# Altium PCB PCB.PcbDoc
Units mm, origin at the board's own origin, x right, y up, seen from the top; angles counter-clockwise.
Board outline 99.95 x 72.69 mm, 2 copper layers (Top Layer, Bottom Layer); 57 components, 67 nets, 259 pads, 136 vias.
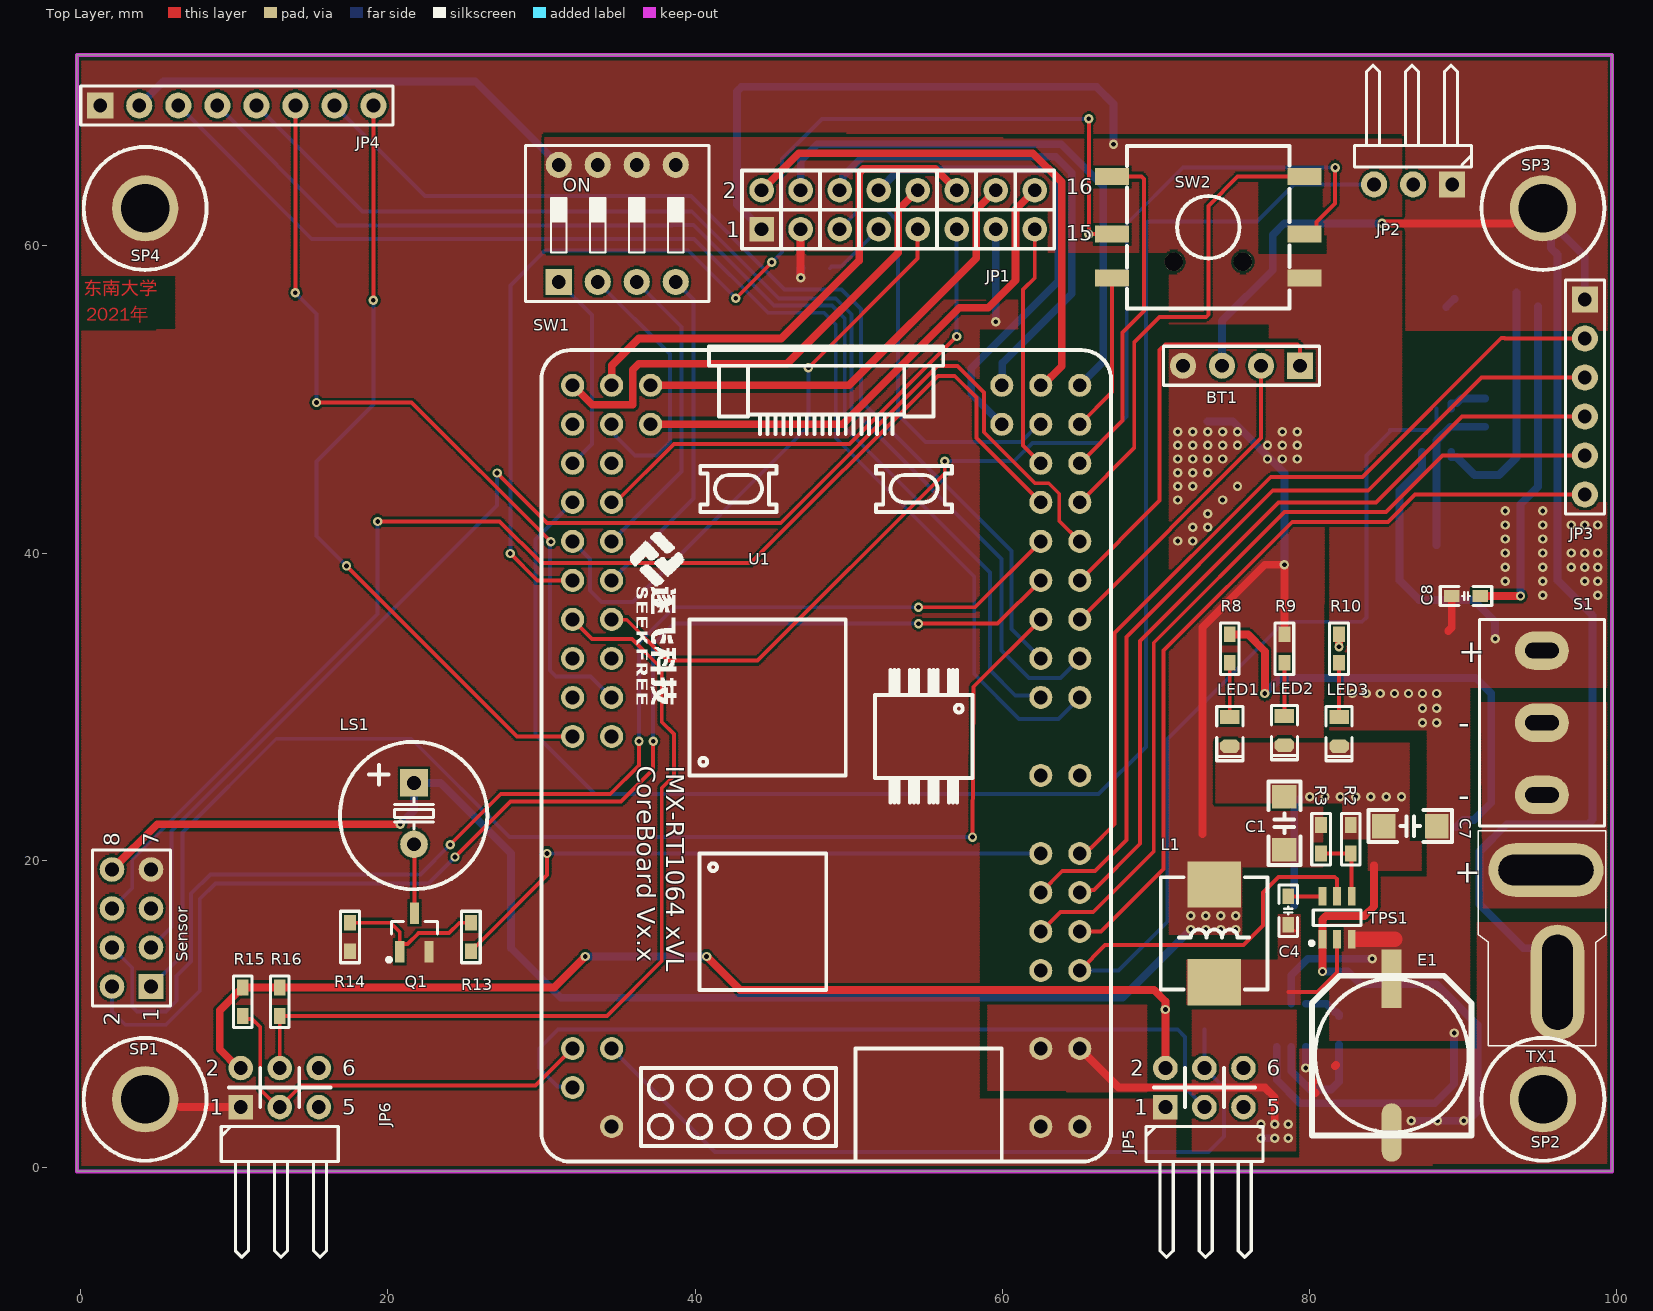
[diagram p0: Top Layer view]
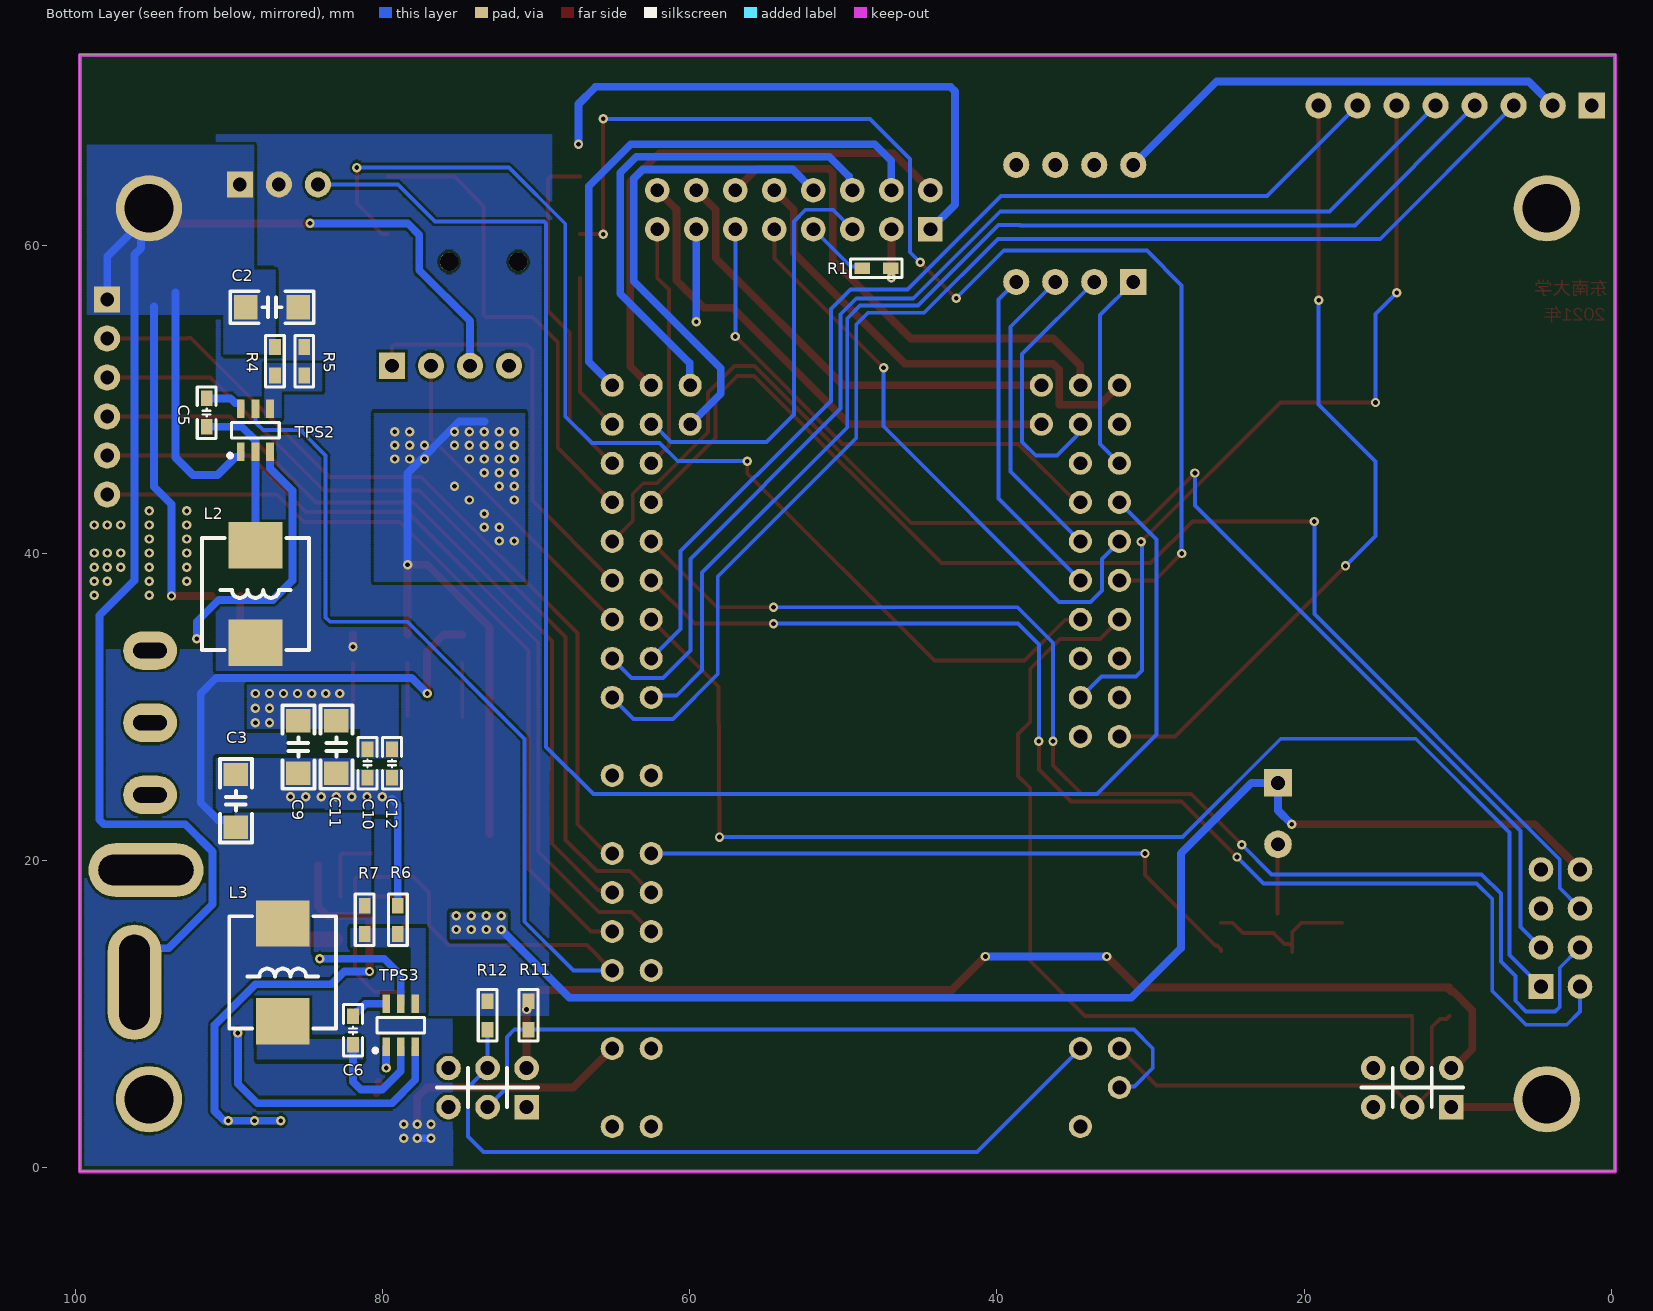
[diagram p1: Bottom Layer view, seen from below]

## Layer stack, top to bottom
Top Solder: solder mask 0.0102, Solder Resist, Dk 3.5
Top Layer: signal copper 0.0356
Dielectric 1: dielectric 0.32, FR-4, Dk 4.8
Bottom Layer: signal copper 0.0356
Bottom Solder: solder mask 0.0102, Solder Resist, Dk 3.5

## Board outline
-0.254,-0.254 99.695,-0.254 99.695,72.437 -0.254,72.437

## Design rules (kind name [scope] priority, off if disabled: settings)
Clearance [All] p1: gap=0.152 ignorepadtopadclearanceinfootprint=FALSE
PolygonConnect [All] p1: connectstyle=Direct reliefconductorwidth=0.254 reliefentries=4 polygonreliefangle="90 Angle" airgapwidth=0.254
RoutingVias [All] p1: holewidth=0.305 width=0.61 viastyle="Through Hole" minholewidth=0.305 minwidth=0.559 maxholewidth=0.305 maxwidth=0.66
SilkToSilkClearance [All] p1: silktosilkclearance=0.051
SilkToSolderMaskClearance [IsPad] p1: minsilkscreentomaskgap=0.051 clearancetoexposedcopper=TRUE
SolderMaskExpansion [All] p1: expansion=0.102
Width PWR [InNetClass('PWR')] p1: maxlimit=2 minlimit=0.508 preferedwidth=0.508
Width [All] p2: maxlimit=2 minlimit=0.254 preferedwidth=0.254
28 further rules are at their usual default settings.

## Classes and differential pairs
net class PWR: 3V3 5V EVCC GND

## Components (designator, comment, footprint, x,y, rotation, side; value= is the part's Value field where it differs from the comment)
BT1 "HDR-1X4" HDR2.54-M-LI-4P 75.565,52.197 r180 top
C1 "47uF" "C 1206_M" 78.359,22.416 r90 top
C2 "47uF" "C 1206_M" 87.185,56.007 r0 bottom
C3 "47uF" "C 1206_M" 89.535,23.876 r90 bottom
C4 "0.1uF" "C 0603_M" 78.613,16.726 r90 top
C5 "0.1uF" "C 0603_M" 91.44,49.149 r90 bottom
C6 "0.1uF" "C 0603_M" 81.915,8.928 r90 bottom
C7 "22uF" "C 1206_M" 86.55,22.225 r180 top
C8 "0.1uF" "C 0603_M" 90.183,37.211 r0 top
C9 "22uF" "C 1206_M" 85.471,27.381 r270 bottom
C10 "0.1uF" "C 0603_M" 80.967,26.315 r270 bottom
C11 "22uF" "C 1206_M" 82.99,27.381 r270 bottom
C12 "0.1uF" "C 0603_M" 79.375,26.315 r270 bottom
E1 "220uF/50V" "CM F(10*10.2)" 85.344,7.286 r90 top
JP1 "Header 8X2" HDR2.54-LI-2x8P 53.213,62.357 r0 top
JP2 "HDR-1X3" HDR2.54-WI-3P 86.741,64.008 r180 top
JP3 "HDR-1X6" HDR2.54-LI-6P 97.917,50.165 r270 top
JP4 "HDR-1X8" HDR2.54-M-LI-8P 10.16,69.139 r0 top
JP5 "Header3X2" HDR2.54-WI-2x3P 73.152,5.207 r0 top
JP6 "Header3X2" HDR2.54-WI-2x3P 12.954,5.207 r0 top
L1 "2.2uH 9A" L-SMD-0630 73.787,15.24 r90 top
L2 "3.3uH 9A" L-SMD-0630 88.265,37.338 r270 bottom
L3 "3.3uH 9A" L-SMD-0630 86.487,12.7 r90 bottom
LED1 "红色" "LED 0805R" 74.803,28.382 r270 top
LED2 "红色" "LED 0805R" 78.359,28.448 r270 top
LED3 "红色" "LED 0805R" 81.915,28.382 r270 top
LS1 "DC3V3" "BEEP 4x9.6x5.5" 21.692,23.044 r180 top
Q1 "SS8050" SOT23-3M 21.717,15.305 r0 top
R1 "10K" "R 0603_M" 47.841,58.547 r0 bottom
R2 "10K" "R 0603_M" 82.677,21.374 r90 top
R3 "33K2" "R 0603_M" 80.747,21.374 r90 top
R4 "10K" "R 0603_M" 86.995,52.489 r90 bottom
R5 "56K2" "R 0603_M" 85.09,52.489 r90 bottom
R6 "10K" "R 0603_M" 78.994,16.129 r90 bottom
R7 "56K2" "R 0603_M" 81.153,16.129 r90 bottom
R8 "3K" "R 0603_M" 74.803,33.782 r90 top
R9 "3K" "R 0603_M" 78.359,33.782 r90 top
R10 "3K" "R 0603_M" 81.915,33.782 r90 top
R11 "4.7K" "R 0603_M" 70.485,9.906 r90 bottom
R12 "4.7K" "R 0603_M" 73.152,9.906 r90 bottom
R13 "1K" "R 0603_M" 25.4,15.011 r90 top
R14 "2K" "R 0603_M" 17.526,15.011 r90 top
R15 "4.7K" "R 0603_M" 10.541,10.795 r90 top
R16 "4.7K" "R 0603_M" 12.954,10.795 r90 top
S1 "MTS-10x" MTS-10x 95.123,28.957 r270 top
Sensor "Header 4X2" HDR-4X2 3.302,15.596 r90 top
SP1 "M3铜柱" M3x4_L 4.191,4.445 r0 top
SP2 "M3铜柱" M3x4_L 95.191,4.445 r0 top
SP3 "M3铜柱" M3x4_L 95.191,62.445 r0 top
SP4 "M3铜柱" M3x4_L 4.191,62.445 r0 top
SW1 "CSW-4P" "CSW DIP-4P_G" 34.925,61.468 r0 top
SW2 "5Key" "TSW 10x10x9-5Key-LS" 73.406,61.214 r180 top
TPS1 "TPS563201" SOT23-6N 81.788,16.256 r0 top
TPS2 "TPS563201" SOT23-6N 88.265,48.006 r180 bottom
TPS3 "TPS563201" SOT23-6N 78.806,9.268 r180 bottom
TX1 "TX" TX 96.139,12.065 r180 top
U1 "MIMXRT1064xVL_CoreBoard" MIMXRT1064XVL_COREBOARD 48.53,26.797 r90 top

## Footprints (in the part's own frame and the unit in brackets; to place one, negate y for a bottom-side part, rotate by r counter-clockwise, add the part's x,y. Pads: shape width x height; smd on the part's side, far side on the other; paste and mask are expansions set on the pad)
"BEEP 4x9.6x5.5" [mm] "4*9.5*5.5mm(脚距,直径,高度)"
  rect 1.8x1.8 hole 0.9: 1(0,-2)
  round 1.8 hole 0.9: 2(0,2)
  silkscreen extent -4.78,-4.67 4.82,4.93, body extent -4.5,-4.5 4.5,4.5, height 5.45
"C 0603_M" [mil] "无极性贴片电容"
  rect 40x30 smd: 1(-36.5,0) 2(36.5,0)
  silkscreen extent -66,-24 66,24, body extent -31,-16 31,16, height 32
"C 1206_M" [mil] "无极性贴片电容"
  rect 60x62.99 smd: 1(-67.51,-0.01) 2(67.5,0)
  silkscreen extent -107,-41 107,41, body extent -63,-32 63,32, height 48
"CM F(10*10.2)" [mm] "贴片电解电容，直径10mm，高10.2mm"
  rect 3.8x1.3 smd: 1(5,0)
  oval 3.8x1.3 smd: 2(-5,0)
  silkscreen extent -5.2,-5.2 5.2,5.2, body extent -5.8,-5.15 5.8,5.15, height 10.2
"CSW DIP-4P_G" [mm] "11.7*9.9*7mm"
  rect 1.7x1.7 hole 0.9: 1(-3.81,-3.81)
  round 1.7 hole 0.9: 2(-1.27,-3.81) 3(1.27,-3.81) 4(3.81,-3.81) 5(3.81,3.81) 6(1.27,3.81) 7(-1.27,3.81) 8(-3.81,3.81)
  silkscreen extent -5.97,-5.08 5.97,5.08, body extent -5.86,-4.95 5.86,4.95, height 6.65
HDR2.54-LI-2x8P [mm] "双排排针，8x2脚"
  rect 1.6x1.6 hole 0.9: 1(-8.89,-1.27)
  round 1.6 hole 0.9: 2(-8.89,1.27) 3(-6.35,-1.27) 4(-6.35,1.27) 5(-3.81,-1.27) 6(-3.81,1.27) 7(-1.27,-1.27) 8(-1.27,1.27) 9(1.27,-1.27) 10(1.27,1.27) 11(3.81,-1.27) 12(3.81,1.27) 13(6.35,-1.27) 14(6.35,1.27) 15(8.89,-1.27) 16(8.89,1.27)
  silkscreen extent -10.16,-2.54 10.16,2.54, body extent -10.16,-2.54 10.16,2.54, height 8.5
HDR2.54-LI-6P [mm] "排针，6脚"
  rect 1.7x1.7 hole 0.9: 1(-6.35,0)
  round 1.7 hole 0.9: 2(-3.81,0) 3(-1.27,0) 4(1.27,0) 5(3.81,0) 6(6.35,0)
  silkscreen extent -7.62,-1.27 7.62,1.27, body extent -7.62,-1.27 7.62,1.27, height 8.5
HDR2.54-M-LI-4P [mm] "排母，4脚"
  rect 1.7x1.7 hole 0.9: 1(-3.81,0)
  round 1.7 hole 0.9: 2(-1.27,0) 3(1.27,0) 4(3.81,0)
  silkscreen extent -5.08,-1.27 5.08,1.27, body extent -5.08,-1.27 5.08,1.27, height 8.5
HDR2.54-M-LI-8P [mm] "排母，8脚"
  rect 1.7x1.7 hole 0.9: 1(-8.89,0)
  round 1.7 hole 0.9: 2(-6.35,0) 3(-3.81,0) 4(-1.27,0) 5(1.27,0) 6(3.81,0) 7(6.35,0) 8(8.89,0)
  silkscreen extent -10.16,-1.27 10.16,1.27, body extent -10.16,-1.27 10.16,1.27, height 8.5
HDR2.54-WI-2x3P [mm] "双排弯脚排针，3x2脚"
  rect 1.6x1.6 hole 0.9: 1(-2.54,-1.27)
  round 1.6 hole 0.9: 2(-2.54,1.27) 3(0,-1.27) 4(0,1.27) 5(2.54,-1.27) 6(2.54,1.27)
  silkscreen extent -3.81,-11.06 3.81,1.27, body extent -3.81,-11.23 3.81,1.62, height 5.1
HDR2.54-WI-3P [mm] "弯脚排针，3脚"
  rect 1.7x1.7 hole 0.9: 1(-2.54,0)
  round 1.7 hole 0.9: 2(0,0) 3(2.54,0)
  silkscreen extent -3.81,-7.76 3.81,-1.14, body extent -3.81,-7.77 3.81,1.27, height 4.85
HDR-4X2 [mm] "双排排针，4x2脚"
  rect 1.6x1.6 hole 0.9: 1(-3.81,-1.27)
  round 1.6 hole 0.9: 2(-3.81,1.27) 3(-1.27,-1.27) 4(-1.27,1.27) 5(1.27,-1.27) 6(1.27,1.27) 7(3.81,-1.27) 8(3.81,1.27)
  silkscreen extent -5.08,-2.54 5.08,2.54, body extent -5.08,-2.54 5.08,2.54, height 8.5
L-SMD-0630 [mm] "一体化成型电感"
  rect 3x3.5 smd: 1(-3.175,0) 2(3.175,0)
  silkscreen extent -3.66,-3.48 3.66,3.48, body extent -3.47,-3.3 3.47,3.3, height 3.05
"LED 0805R" [mil] "红色0805LED"
  rect 35x50 smd: 1(-37.41,0)
  oct 35x50 smd: 2(37.4,0)
  silkscreen extent -64,-33 75,33, body extent -39,-25 39,25, height 32
M3x4_L [mil] "M3铜柱，长：4mm"
  round 170 hole 125: 1(0,0)
  silkscreen extent -157,-157 157,157, body extent -106,-93 106,93, height 159
MIMXRT1064XVL_COREBOARD [mm] "逐飞科技i.MX RT1064核心板整体封装，可直接使用"
  round 1.5 hole 0.9: 1(-24.13,-16.51) 2(-24.13,-13.97) 5(-19.05,-16.51) 6(-19.05,-13.97) 9(-13.97,-16.51) 10(-13.97,-13.97) 11(-11.43,-16.51) 12(-11.43,-13.97) 13(-8.89,-16.51) 14(-8.89,-13.97) 15(-6.35,-16.51) 16(-6.35,-13.97) 19(-1.27,-16.51) 20(-1.27,-13.97) 23(3.81,-16.51) 24(3.81,-13.97) 25(6.35,-16.51) 26(6.35,-13.97) 27(8.89,-16.51) 28(8.89,-13.97) 29(11.43,-16.51) 30(11.43,-13.97) 31(13.97,-16.51) 32(13.97,-13.97) 33(16.51,-16.51) 34(16.51,-13.97) 35(19.05,-16.51) 36(19.05,-13.97) 37(21.59,-16.51) 38(21.59,-13.97) 39(24.13,-16.51) 40(24.13,-13.97) 41(21.59,-11.43) 42(24.13,-11.43) 43(24.13,11.43) 44(21.59,11.43) 45(24.13,13.97) 46(24.13,16.51) 47(21.59,13.97) 48(21.59,16.51) 49(19.05,13.97) 50(19.05,16.51) 51(16.51,13.97) 52(16.51,16.51) 53(13.97,13.97) 54(13.97,16.51) 55(11.43,13.97) 56(11.43,16.51) 57(8.89,13.97) 58(8.89,16.51) 59(6.35,13.97) 60(6.35,16.51) 61(3.81,13.97) 62(3.81,16.51) 63(1.27,13.97) 64(1.27,16.51) 79(-19.05,13.97) 80(-19.05,16.51) 82(-21.59,16.51) 83(-24.13,13.97)
  round 1.5 on Top Overlay: 3(-21.59,-16.51) 4(-21.59,-13.97) 7(-16.51,-16.51) 8(-16.51,-13.97) 17(-3.81,-16.51) 18(-3.81,-13.97) 21(1.27,-16.51) 22(1.27,-13.97) 65(-1.27,13.97) 66(-1.27,16.51) 67(-3.81,13.97) 68(-3.81,16.51) 69(-6.35,13.97) 70(-6.35,16.51) 71(-8.89,13.97) 72(-8.89,16.51) 73(-11.43,13.97) 74(-11.43,16.51) 75(-13.97,13.97) 76(-13.97,16.51) 77(-16.51,13.97) 78(-16.51,16.51) 81(-21.59,13.97) 84(-24.13,16.51)
  silkscreen extent -26.42,-18.54 26.67,18.54
MTS-10x [mm] "MTS10系列3脚扭子开关"
  oval 2.5x3.5 hole 1 slot 2.2 at 90 deg: 1(-4.7,0) 2(0,0) 3(4.7,0)
  silkscreen extent -6.73,-4.06 6.73,4.06, body extent -6.6,-3.95 6.6,3.95, height 30.47
"R 0603_M" [mil] "1/10W贴片电阻"
  rect 40x30 smd: 1(-36.5,0) 2(36.5,0)
  silkscreen extent -66,-24 66,24, body extent -31,-16 31,16, height 16
SOT23-3M [mm] "3x1.3x1mm(长宽高)"
  rect 0.6x1.4 smd: 1(-0.95,-1.27) 2(0.95,-1.27) 3(0,1.244)
  silkscreen extent -1.78,-1.9 1.5,0.7, body extent -1.5,-1.2 1.5,1.2, height 1.05
SOT23-6N [mm] "3x1.6x1.1mm(长宽高)"
  rect 0.5x1.2 smd: 1(-0.95,-1.4) 2(0,-1.4) 3(0.95,-1.4) 4(0.95,1.4) 5(0,1.4) 6(-0.95,1.4)
  silkscreen extent -1.78,-1.78 1.55,0.51, body extent -1.5,-1.4 1.5,1.4, height 1.15
"TSW 10x10x9-5Key-LS" [mm] "6脚，长：10.5，宽：10，高：9mm"
  round 1.2 hole 1.2: 0(-2.25,2.25) 0(2.25,2.25)
  rect 2.2x1.1 smd: 1(-6.262,3.3) 2(-6.262,0.45) 3(-6.262,-3.3) 4(6.262,-3.3) 5(6.262,0.45) 6(6.262,3.3)
  silkscreen extent -5.29,-5.29 5.29,5.29, body extent -6.5,-5.16 6.5,5.16, height 9.05
TX [mm] "T型接头"
  oval 3.5x7.5 hole 2 slot 6.2 at 90 deg: 1(0,0)
  oval 7.5x3.5 hole 2 slot 6.2 at 0 deg: 2(0.75,-7.3)
  silkscreen extent -3.15,-9.85 5.15,4.15, body extent -2.8,-9.5 4.8,3.8, height 10.2

## Part data
BT1: library part "Header 4", "4P接插件", 学习资源=ww
C1 C2 C3: library part C_2, "无极性贴片电容", 学习资源=ww
C4 C5 C6 C8 C10 C12: library part C_1, "无极性贴片电容", 学习资源=ww
C7 C9 C11: library part C, "无极性贴片电容", 学习资源=ww
E1: library part C-CM, "贴片电解电容", 学习资源=ww
JP1: "8*2P接插件", BOM名称=8*, 学习资源=ww
JP2: library part "Header 3", "3P接插件", 学习资源=ww
JP3: library part "Header 6", "6P接插件", 学习资源=ww
JP4: library part "Header 8", "8P接插件", 学习资源=ww
JP5 JP6: library part "Header 3X2", "3*2P接插件", BOM名称=3*, 学习资源=ww
L1: library part Inductor0630, "功率屏蔽电感", 学习资源=ww
L2 L3: library part Inductor0630_1, "功率屏蔽电感", 学习资源=ww
LED1 LED2 LED3: library part LED-SMD, "贴片LED", 学习资源=ww
LS1: library part BEEP, "蜂鸣器", 学习资源=ww
Q1: library part 8050-SMD, "高频放大-NPN型", 学习资源=ww, 属性="40V 1.5A 1W 10"
R1 R2 R4 R6: library part R_1, "贴片电阻", 学习资源=ww
R3: library part R_2, "贴片电阻", 学习资源=ww
R5 R7: library part R_3, "贴片电阻", 学习资源=ww
R8 R9 R10: library part R_7, "贴片电阻", 学习资源=ww
R11 R12 R15 R16: library part R, "贴片电阻", 学习资源=ww
R13: library part R_5, "贴片电阻", 学习资源=ww
R14: library part R_6, "贴片电阻", 学习资源=ww
S1: "MTS10x系列3脚扭子开关", BOM名称=MTS10x, 学习资源=ww
Sensor: "4*2P接插件", BOM名称=4*, 学习资源=ww
SP1 SP2 SP3 SP4: library part 铜柱小焊盘, "铜柱", 学习资源=ww
SW1: "4路编码开关", 学习资源=ww
TPS1 TPS2 TPS3: library part TPS54302
TX1: library part T型插头
U1: "逐飞科技i.MX RT1064核心板整体原理，可直接使用"

## Via types
v1: diameter 0.61, hole 0.305, Top Layer to Bottom Layer, tented both sides, 136 vias

## Nets (pads, with @x,y where several pads share a name; then routed paths per layer and width w, separated by ;. In a path a pad name is that pad's centre, name@x,y a point inside that pad or via, vN(x,y) a via of type N, cw(c..) or ccw(c..) an arc to the next point about the centre after c; other vN are vias at no path point)
3V3: BT1.4 C1.1 JP1.1 JP4.2 L1.2 LS1.1 R3.2 R9.2 Sensor.8 SW1.5 SW1.6 SW1.7 SW1.8 SW2.1 | length 189.9
  Top Layer w0.508: Sensor.8 4.978,22.352 v1(20.803,22.352) ; 73.025,21.717 73.025,35.179 77.089,39.243 v1(78.359,39.243) R9.2
  Bottom Layer w0.508: JP4.2 5.385,70.714 25.679,70.714 SW1.8 ; v1(20.803,22.352) 21.692,23.241 LS1.1 23.419,25.044 28.016,20.447 28.016,14.275 31.242,11.049 67.818,11.049 v1(72.263,15.494) ; JP1.1 42.723,62.687 42.723,70.06 43.02,70.358 66.116,70.358 67.234,69.24 v1@67.234,66.573 ; 73.343,48.578 74.993,48.578 78.359,45.212 v1(78.359,39.243)
  other v1: 73.237,15.494 74.21,15.494 75.184,15.494 72.263,16.383 73.237,16.383 74.21,16.383 75.184,16.383 71.413,40.792 72.387,40.792 72.387,41.681 73.36,41.681 73.36,42.57 71.413,43.459 74.334,43.459 71.413,44.348 72.387,44.348 75.308,44.348 71.413,45.237 72.387,45.237 73.36,45.237 71.413,46.126 72.387,46.126 73.36,46.126 74.334,46.126 77.255,46.126 78.229,46.126 79.202,46.126 71.413,47.015 72.387,47.015 73.36,47.015 74.334,47.015 75.308,47.015 77.255,47.015 78.229,47.015 79.202,47.015 71.413,47.904 72.387,47.904 73.36,47.904 74.334,47.904 75.308,47.904 78.229,47.904 79.202,47.904 67.234,66.624
5Key_D: SW2.4 U1.35 | length 22.4
  Top Layer w0.254: U1.35 67.818,48.625 67.818,54.356 69.215,55.753 69.215,64.365 69.066,64.514 SW2.4
5Key_L: SW2.2 U1.57 | length 74.7
  Top Layer w0.254: U1.57 34.583,35.664 35.542,35.664 38.205,33.001 44.061,33.001 56.245,45.185 v1(56.245,45.99) ; SW2.2 80.027,60.764 80.45,61.187 80.45,61.546 81.661,62.757 v1(81.661,65.1)
  Bottom Layer w0.254: v1(56.245,45.99) 60.773,45.99 61.951,47.168 66.361,47.168 68.097,48.904 68.097,61.445 71.752,65.1 v1(81.661,65.1)
5Key_M: SW2.3 U1.33 | length 31.6
  Top Layer w0.254: U1.33 68.58,46.847 68.58,53.721 70.231,55.372 73.257,55.372 73.406,55.521 73.406,62.611 75.309,64.514 SW2.3
5Key_R: SW2.5 U1.56 | length 79.6
  Top Layer w0.254: v1(27.965,39.98) 29.718,38.227 U1.56 ; v1(42.647,56.591) v1(44.983,58.928) ; v1(65.625,68.275) v1(65.625,60.764) SW2.5
  Bottom Layer w0.254: v1(27.965,39.98) 27.965,57.429 30.226,59.69 39.548,59.69 v1(42.647,56.591) ; v1(44.983,58.928) 45.644,59.588 45.644,65.659 48.26,68.275 v1(65.625,68.275) ; v1@65.583,60.63 v1@65.625,60.672
5Key_U: SW2.6 U1.37 | length 10.4
  Top Layer w0.254: U1.37 67.144,50.491 SW2.6
5V: C2.1 JP2.2 JP5.2 JP6.2 L2.2 R5.2 R10.2 R11.2 R12.2 R15.2 R16.2 | length 73.9
  Top Layer w0.508: JP6.2 10.262,6.477 9.042,7.696 9.042,10.223 10.287,11.468 10.414,11.468 10.541,11.595 R15.2 R16.2 30.823,11.722 v1(32.842,13.741) ; v1(40.742,13.741) 42.926,11.557 69.875,11.557 70.612,10.82 JP5.2 ; v1(81.915,33.909) R10.2
  Bottom Layer w0.508: v1(32.842,13.741) v1(40.742,13.741)
  other v1: 70.612,10.287
B0: JP4.3 U1.23 | length 83.9
  Bottom Layer w0.254: JP4.3 15.037,60.452 39.929,60.452 44.729,55.651 48.391,55.651 49.149,54.893 49.149,47.498 58.166,38.481 58.166,32.131 61.087,29.21 63.643,29.21 U1.23
B1: JP4.4 U1.24 | length 77.5
  Bottom Layer w0.254: JP4.4 16.688,61.341 38.481,61.341 38.503,61.363 39.882,61.363 45.136,56.109 48.899,56.109 49.733,55.274 49.733,48.184 59.182,38.735 59.182,32.385 60.833,30.734 62.373,30.734 U1.24
B2: JP4.5 U1.25 | length 76.7
  Bottom Layer w0.254: JP4.5 18.339,62.23 39.776,62.23 45.441,56.566 49.149,56.566 50.165,55.55 50.165,49.403 59.944,39.624 59.944,33.655 61.722,31.877 63.77,31.877 U1.25
B3: JP4.7 U1.26 | length 67.4
  Bottom Layer w0.254: JP4.7 22.403,63.246 39.729,63.246 45.825,57.15 49.53,57.15 50.8,55.88 50.8,49.911 60.579,40.132 60.579,35.052 60.595,35.052 U1.26
BEEP: R13.1 U1.16 | length 40.6
  Top Layer w0.254: R13.1 25.4,14.211 25.654,14.465 25.781,14.465 30.353,19.037 v1(30.353,20.447)
  Bottom Layer w0.254: v1(30.353,20.447) U1.16
C0: JP5.3 R11.1 U1.82 | length 51.8
  Bottom Layer w0.254: U1.82 31.943,5.284 31.038,5.284 29.845,6.477 29.845,7.747 31.077,8.979 R11.1 71.412,8.979 71.882,8.509 71.882,5.207 JP5.3
C1: JP5.4 R12.1 U1.79 | length 50.7
  Top Layer w0.254: JP5.4@73.152,6.35 JP5.4
  Bottom Layer w0.254: U1.79 41.291,1.016 73.406,1.016 74.422,2.032 74.422,5.102 74.168,5.356 74.168,5.461 JP5.4 R12.1
C2: JP6.3 R15.1 U1.80 | length 27.9
  Top Layer w0.254: R15.1 10.735,9.674 11.154,9.674 11.684,9.144 11.684,5.08 12.827,3.937 JP6.3 14.351,5.334 29.607,5.334 U1.80
C18: JP4.8 U1.64 | length 51.6
  Top Layer w0.254: v1(17.297,39.167) 28.397,28.067 U1.64 ; v1(19.05,56.464) JP4.8
  Bottom Layer w0.254: v1(17.297,39.167) 15.342,41.123 15.342,45.974 19.05,49.682 v1(19.05,56.464)
C19: JP4.6 U1.61 | length 52.1
  Top Layer w0.254: v1(13.97,56.947) JP4.6 ; v1(15.342,49.809) 21.539,49.809 v1(30.607,40.742)
  Bottom Layer w0.254: v1(13.97,56.947) 15.342,55.575 v1(15.342,49.809) ; v1@30.556,40.767 30.556,32.36 30.937,31.979 33.188,31.979 U1.61
C24: JP6.4 R16.1 U1.58 | length 56.6
  Top Layer w0.254: JP6.4 R16.1 34.252,9.868 37.821,13.437 37.821,24.714 38.608,25.502 38.608,28.219 37.821,29.007 37.821,32.471 35.874,34.417 33.29,34.417 U1.58
C30: JP2.3 U1.52 | length 108.7
  Bottom Layer w0.254: U1.52 29.591,40.878 29.591,28.194 33.477,24.308 66.269,24.308 69.342,27.381 69.342,61.446 69.491,61.595 76.581,61.595 78.994,64.008 JP2.3
D0: JP1.16 U1.44 | length 34
  Top Layer w0.5: U1.44 49.606,48.387 57.201,55.982 59.079,55.982 60.856,57.759 60.856,62.38 JP1.16
D1: JP1.14 U1.43 | length 29.6
  Top Layer w0.5: U1.43 50.015,50.927 58.293,59.205 58.293,62.357 JP1.14
D2: JP1.12 U1.45 | length 33
  Top Layer w0.5: U1.45 34.56,52.213 36.322,53.975 45.593,53.975 50.673,59.055 50.673,64.748 50.949,65.024 55.626,65.024 JP1.12
D3: JP1.10 U1.46 | length 31.8
  Top Layer w0.5: U1.46 33.29,49.657 35.941,49.657 35.941,51.943 36.322,52.324 45.974,52.324 53.213,59.563 53.213,62.357 JP1.10
D4: JP1.8 U1.41 | length 31.7
  Bottom Layer w0.5: JP1.8 53.289,64.973 63.043,64.973 63.627,64.389 63.627,57.709 57.963,52.045 57.963,50.384 U1.41
D5: JP1.6 U1.42 | length 32.6
  Bottom Layer w0.5: JP1.6 49.613,63.837 49.613,64.515 50.91,65.811 63.475,65.811 64.516,64.77 64.516,56.896 59.995,52.375 59.995,50.962 U1.42
D6: JP1.4 U1.39 | length 36.8
  Bottom Layer w0.5: JP1.4 46.863,65.532 47.955,66.624 63.821,66.624 66.573,63.872 66.573,52.46 U1.39
D7: JP1.2 U1.40 | length 35.2
  Top Layer w0.5: JP1.2 46.736,66.04 61.976,66.04 63.856,64.16 63.856,52.172 62.611,50.927 U1.40
EN_MOTOR: JP3.2 U1.15 | length 54.1
  Top Layer w0.254: U1.15 65.377,20.447 65.74,20.81 65.768,20.81 67.31,22.352 67.31,34.798 77.47,44.958 83.439,44.958 92.478,53.997 92.688,53.997 92.71,53.975 JP3.2
EN_PWR: TPS1.5 TPS2.5 U1.9 | length 73.8
  Top Layer w0.254: U1.9 66.691,14.478 75.692,14.478 76.962,15.748 76.962,17.907 77.978,18.923 81.639,18.923 81.788,18.774 TPS1.5
  Bottom Layer w0.254: U1.9 67.564,12.827 70.736,15.999 70.736,27.909 78.361,35.535 83.414,35.535 83.693,35.814 83.693,46.355 85.217,47.879 85.217,48.006 87.757,48.006 88.265,48.514 TPS2.5
EVCC: C7.1 C8.1 C9.1 C10.1 C11.1 C12.1 E1.1 S1.1 TPS1.3 TPS2.3 TPS3.3 TPS3.5 | length 48
  Top Layer w0.508: 89.027,34.925 89.256,35.154 C8.1
  Top Layer w1: 83.058,14.859 85.54,14.859
  Bottom Layer w0.508: TPS3.3 77.856,5.71 79.375,4.191 88.138,4.191 89.408,5.461 v1(89.408,8.763) ; TPS3.5 78.806,12.512 79.883,13.589 v1(84.074,13.589) ; TPS2.3 87.315,45.532 85.852,44.069 85.852,38.227 87.122,36.957 90.656,36.957 92.075,35.538 v1(92.075,34.417)
  other v1: 87.351,28.956 88.265,28.956 87.351,29.909 88.265,29.909 82.779,30.861 83.693,30.861 84.607,30.861 85.522,30.861 86.436,30.861 87.351,30.861 88.265,30.861 95.174,37.262 98.755,37.262 92.743,38.176 95.174,38.176 97.917,38.176 98.755,38.176 92.743,39.091 95.174,39.091 97.028,39.091 97.917,39.091 98.755,39.091 92.743,40.005 95.174,40.005 97.028,40.005 97.917,40.005 98.755,40.005 92.743,40.919 95.174,40.919 92.743,41.834 95.174,41.834 97.028,41.834 97.917,41.834 98.755,41.834 92.743,42.748 95.174,42.748
GND: BT1.3 C1.2 C2.2 C3.2 C7.2 C8.2 C9.2 C10.2 C11.2 C12.2 E1.2 JP1.3 JP1.13 JP2.1 JP3.1 JP4.1 JP5.1 JP6.1 LED1.2 LED2.2 LED3.2 Q1.2 R1.1 R2.2 R4.2 R6.2 R14.1 Sensor.7 SP1.1 SP2.1 SP3.1 SP4.1 TPS1.1 TPS2.1 TPS3.1 TX1.1 U1.1 U1.2 U1.83 | length 188.8
  Top Layer w0.508: 6.477,3.937 JP6.1 ; v1@46.84,58.09 46.863,58.113 JP1.3 ; 80.264,5.588 80.17,5.494 80.17,5.073 80.391,4.851 ; v1(80.838,12.766) TPS1.1 80.838,16.151 81.07,16.383 83.566,16.383 84.201,17.018 84.201,19.685 ; 81.661,6.604 81.727,6.67 ; v1(84.709,61.468) 93.183,61.468 94.16,62.445 SP3.1 ; C8.2 v1(93.726,37.211)
  Bottom Layer w0.508: v1@46.863,57.887 46.863,58.496 R1.1 ; v1(59.563,55.067) JP1.13 ; BT1.3 74.295,55.118 77.597,58.42 77.597,60.706 78.359,61.468 v1@84.582,61.468 ; R6.2 78.994,23.622 79.375,24.003 ; v1(79.756,6.477) TPS3.1 ; v1(80.838,12.766) 82.484,12.766 83.312,11.938 88.265,11.938 90.932,9.271 90.932,3.683 90.297,3.048 v1(86.614,3.048) ; C2.2 88.9,56.045 89.408,56.553 C2.2@89.446,56.553 ; TPS2.1 89.215,46.264 89.219,46.26 89.561,46.26 90.736,45.085 92.329,45.085 93.472,46.228 93.472,56.972 ; v1(93.726,37.211) 93.726,43.18 94.869,44.323 94.869,56.058 ; SP3.1@94.742,61.849 95.191,62.298 SP3.1 95.718,61.918 SP3.1@95.718,61.508 ; TX1.1 96.139,12.897 94.757,14.279 93.925,14.279 91.059,17.145 91.059,20.574 92.837,22.352 98.127,22.352 98.425,22.65 98.425,35.941 96.139,38.227 96.139,59.436 95.718,59.857 SP3.1@95.718,61.508 ; JP3.1 97.917,59.309 SP3.1@95.718,61.508
  other v1: 88.328,3.048 90.043,3.048 80.01,24.13 81.005,24.13 82,24.13 82.994,24.13 83.989,24.13 84.984,24.13 85.979,24.13 46.863,57.937
IND_ADC1_B14: Sensor.2 U1.30 | length 82.7
  Top Layer w0.254: v1(24.359,20.218) 27.965,23.825 35.179,23.825 37.262,25.908 v1(37.262,27.753) ; v1(54.534,35.408) 59.681,35.408 U1.30
  Bottom Layer w0.254: Sensor.2 2.032,10.16 2.896,9.296 5.537,9.296 7.747,11.506 7.747,17.475 8.763,18.491 22.631,18.491 v1(24.359,20.218) ; v1(37.262,27.753) 37.262,34.039 38.63,35.408 v1(54.534,35.408)
IND_ADC2_B15: Sensor.1 U1.28 | length 83.5
  Top Layer w0.254: v1(58.055,21.514) 58.115,31.302 U1.28
  Bottom Layer w0.254: Sensor.1 6.629,13.843 6.629,21.819 12.725,27.915 21.514,27.915 27.915,21.514 v1(58.055,21.514)
IND_ADC3_B16: Sensor.4 U1.32 | length 84.5
  Top Layer w0.254: v1(24.054,21.019) 27.343,24.308 34.468,24.308 36.338,26.178 v1(36.338,27.753) ; v1@54.635,36.474 58.207,36.474 U1.32
  Bottom Layer w0.254: Sensor.4 3.353,13.005 3.353,10.465 3.658,10.16 5.537,10.16 6.236,10.858 6.236,12.459 7.188,13.411 7.188,17.831 8.433,19.075 22.11,19.075 v1(24.054,21.019) ; v1(36.338,27.753) 36.338,34.163 38.649,36.474 v1(54.534,36.474)
IND_ADC4_B17: Sensor.3 U1.31 | length 91
  Top Layer w0.254: v1(27.102,45.212) 30.353,41.961 45.568,41.961 55.778,52.172 57.074,52.172 58.801,50.444 58.801,47.871 62.12,44.552 63.017,44.552 63.703,43.866 63.703,42.104 U1.31
  Bottom Layer w0.254: Sensor.3 5.918,15.672 5.918,21.92 27.102,43.104 v1(27.102,45.212)
IND_ADC5_B18: Sensor.6 U1.34 | length 86.7
  Top Layer w0.254: v1(19.329,42.062) 27.27,42.062 29.988,39.345 43.612,39.345 55.804,51.537 56.896,51.537 58.314,50.119 58.314,47.493 U1.34
  Bottom Layer w0.254: Sensor.6 3.353,18.186 3.353,20.066 19.329,36.043 v1(19.329,42.062)
MCU: C3.1 L3.2 R7.2 R8.2 U1.5 U1.6 | length 47.8
  Top Layer w0.508: U1.5 67.58,5.207 77.089,5.207 77.724,4.572 v1(77.724,2.819) ; R8.2 75.984,34.709 77.089,33.604 v1(77.089,30.861)
  Bottom Layer w0.508: v1(76.835,1.905) v1(77.724,1.905) ; v1(77.089,30.861) 78.105,31.877 90.805,31.877 91.821,30.861 91.821,23.749 90.696,22.624 89.997,22.624 C3.1
  other v1: 78.613,1.905 76.835,2.819 78.613,2.819
NetC4_1: C4.1 L1.1 TPS1.2 | length 6.5
  Top Layer w0.254: 78.613,11.43 80.518,11.43 81.788,12.7 TPS1.2 ; C4.1 78.613,15.672 78.867,15.418 78.994,15.418
NetC4_2: C4.2 TPS1.6 | length 2.2
  Top Layer w0.254: C4.2 80.835,17.653 TPS1.6
NetC5_1: C5.1 L2.1 TPS2.2 | length 10.4
  Bottom Layer w0.508: L2.1 TPS2.2 88.265,47.333 89.154,48.222 C5.1
NetC5_2: C5.2 TPS2.6 | length 2.7
  Bottom Layer w0.508: TPS2.6 89.215,49.748 89.219,49.752 89.561,49.752 89.885,50.076 C5.2
NetC6_1: C6.1 L3.1 TPS3.2 | length 7.8
  Bottom Layer w0.508: TPS3.2 78.806,6.284 80.01,5.08 81.407,5.08 81.915,5.588 C6.1
NetC6_2: C6.2 TPS3.6 | length 2.6
  Bottom Layer w0.508: TPS3.6 81.102,10.668 81.661,10.109 81.788,10.109 81.915,9.982 C6.2
NetJP1_7: JP1.7 R1.2 | length 4.2
  Bottom Layer w0.254: R1.2 48.873,58.652 49.508,58.652 JP1.7
NetLED1_1: LED1.1 R8.1 | length 3.5
  Top Layer w0.254: LED1.1 R8.1
NetLED2_1: LED2.1 R9.1 | length 3.5
  Top Layer w0.254: LED2.1 R9.1
NetLED3_1: LED3.1 R10.1 | length 3.5
  Top Layer w0.254: LED3.1 R10.1
NetLS1_2: LS1.2 Q1.3 | length 4.5
  Top Layer w0.254: LS1.2 21.717,21.019 Q1.3
NetQ1_1: Q1.1 R13.2 R14.2 | length 10.1
  Top Layer w0.254: R14.2 20.155,15.938 20.767,15.327 Q1.1@20.767,14.377 ; Q1.1 Q1.1@20.767,14.377 ; R13.2 24.651,15.938 23.978,15.265 21.971,15.265 21.971,15.239 21.282,14.55 20.94,14.55 Q1.1@20.767,14.377
NetR2_1: R2.1 R3.1 TPS1.4 | length 4.7
  Top Layer w0.254: R3.1 R2.1 82.738,20.386 TPS1.4
NetR4_1: R4.1 R5.1 TPS2.4
NetR6_1: R6.1 R7.1 TPS3.4
NetS1_2: S1.2 S1.3 TX1.2
PCLK: JP1.15 U1.36 | length 16
  Top Layer w0.254: JP1.15 62.103,57.912 61.341,57.15 61.341,47.006 U1.36
PWM1_D0: JP3.3 U1.14 | length 57
  Top Layer w0.254: U1.14 63.897,19.304 66.04,19.304 68.072,21.336 68.072,34.544 77.597,44.069 83.82,44.069 91.186,51.435 JP3.3
PWM2_D1: JP3.4 U1.13 | length 53.4
  Top Layer w0.254: U1.13 65.213,18.08 65.959,18.08 68.961,21.082 68.961,34.29 77.978,43.307 84.328,43.307 89.916,48.895 JP3.4
PWM3_D2: JP3.5 U1.12 | length 56.2
  Top Layer w0.254: U1.12 63.77,16.637 65.913,16.637 69.85,20.574 69.85,34.163 78.359,42.672 84.963,42.672 88.646,46.355 JP3.5
PWM4_D3: JP3.6 U1.11 | length 53
  Top Layer w0.254: U1.11 66.421,15.367 70.485,19.431 70.485,33.655 78.867,42.037 85.09,42.037 86.868,43.815 JP3.6
RX_B13: BT1.2 U1.27 | length 21.4
  Top Layer w0.254: U1.27 76.835,47.482 BT1.2
RXD: JP1.11 U1.51 | length 33.9
  Top Layer w0.254: U1.51 34.798,43.307 38.608,47.117 50.038,47.117 v1(57.023,54.102)
  Bottom Layer w0.254: v1(57.023,54.102) JP1.11
SW1: SW1.1 U1.50 | length 13.2
  Bottom Layer w0.254: SW1.1 33.274,55.499 33.274,47.101 U1.50
SW2: SW1.2 U1.47 | length 17.7
  Bottom Layer w0.254: SW1.2 38.354,52.959 38.354,47.244 37.465,46.355 36.068,46.355 34.798,47.625 34.798,48.149 U1.47
SW3: SW1.3 U1.53 | length 20
  Bottom Layer w0.254: U1.53 39.116,45.323 39.116,54.737 SW1.3
SW4: SW1.4 U1.55 | length 22.1
  Bottom Layer w0.254: U1.55 39.878,43.545 39.878,56.515 SW1.4
TX_B12: BT1.1 U1.29 | length 27.7
  Top Layer w0.254: U1.29 70.231,43.418 70.231,53.213 70.612,53.594 79.226,53.594 79.375,53.445 BT1.1
TXD: JP1.9 U1.54 | length 38.7
  Top Layer w0.254: v1(47.371,52.07) 54.483,59.182 JP1.9
  Bottom Layer w0.254: U1.54 33.163,39.624 33.163,37.576 33.909,36.83 35.941,36.83 47.371,48.26 v1(47.371,52.07)
VSY: JP1.5 U1.38 | length 27.7
  Bottom Layer w0.254: JP1.5 50.673,62.357 52.451,62.357 53.213,61.595 53.213,49.022 55,47.235 61.205,47.235 62.357,48.387 U1.38
pads on no net: JP5.5 JP5.6 JP6.5 JP6.6 Sensor.5 SW2.0 U1.3 U1.4 U1.7 U1.8 U1.10 U1.17 U1.18 U1.19 U1.20 U1.21 U1.22 U1.48 U1.49 U1.59 U1.60 U1.62 U1.63 U1.65 U1.66 U1.67 U1.68 U1.69 U1.70 U1.71 U1.72 U1.73 U1.74 U1.75 U1.76 U1.77 U1.78 U1.81 U1.84

## Polygon pours and split planes (outlines as drawn)
5V on Bottom Layer "Bottom Layer-5V" (hatched Horizontal grid 0.102 track 0.127, remove dead copper, pour order 100): 69.193,9.906 90.805,9.906 90.805,33.274 90.805,67.31 68.982,67.31
EVCC on Bottom Layer "Bottom Layer-EVCC" (hatched Horizontal grid 0.102 track 0.127, remove dead copper, pour order 62): 78.994,26.67 81.407,26.67 81.407,28.575 88.773,28.575 88.773,31.394 78.994,31.394
no net on Bottom Layer "Bottom Layer-No Net 5" (hatched Horizontal grid 0.102 track 0.127, remove dead copper, pour order 120): 65.71,68.275
MCU on Bottom Layer "Bottom Layer-MCU 1" (hatched Horizontal grid 0.102 track 0.127, remove dead copper, pour order 102): 75.463,23.038 86.258,23.038 86.258,33.782 99.517,33.782 99.517,-0.051 99.466,-0.102 75.438,-0.102 75.438,2.413 75.463,2.438
3V3 on Bottom Layer "Bottom Layer-3V3 1" (hatched Horizontal grid 0.102 track 0.127, remove dead copper, pour order 98): 70.736,49.149 80.518,49.149 80.518,38.163 70.736,38.163
no net on Bottom Layer "Bottom Layer-No Net 3" (hatched Horizontal grid 0.102 track 0.127, remove dead copper, pour order 104): -0.102,67.31
3V3 on Bottom Layer "Bottom Layer-3V3" (hatched Horizontal grid 0.102 track 0.127, remove dead copper, pour order 86): 71.882,16.637 75.565,16.637 75.565,14.859 71.882,14.859
no net on Bottom Layer "Bottom Layer-No Net 4" (hatched Horizontal grid 0.102 track 0.127, remove dead copper, pour order 96): 71.755,46.228
5V on Bottom Layer "Bottom Layer-5V" (hatched Horizontal grid 0.102 track 0.127, remove dead copper, pour order 82): 73.533,10.287 69.977,10.287 69.977,11.557 73.533,11.557
GND on Bottom Layer "Bottom Layer-GND" (hatched Horizontal grid 0.102 track 0.127, remove dead copper, pour order 72): 99.187,66.548 99.187,55.499 90.297,55.499 90.297,52.959 86.995,52.959 86.995,58.42 88.392,58.42 88.392,66.548
no net on Bottom Layer "Bottom Layer-No Net 1" (hatched Horizontal grid 0.102 track 0.127, remove dead copper, pour order 70): 88.392,66.548
GND on Bottom Layer "Bottom Layer-GND 1" (hatched Horizontal grid 0.102 track 0.127, remove dead copper, pour order 60): 78.867,25.908 81.915,25.908 81.915,26.67 90.805,26.67 90.805,22.936 78.867,22.936
5V on Bottom Layer "Bottom Layer-5V 1" (hatched Horizontal grid 0.102 track 0.127, remove dead copper, pour order 58): 84.709,52.832 85.979,52.832 85.979,60.198 78.74,60.198 78.74,54.61 84.709,54.61
NetR4_1 on Bottom Layer "Bottom Layer-NetR4_1" (hatched Horizontal grid 0.102 track 0.127, remove dead copper, pour order 56): 87.63,48.768 87.63,52.324 83.947,52.324 83.947,50.546 86.614,50.546 86.614,48.768
MCU on Bottom Layer "Bottom Layer-MCU" (hatched Horizontal grid 0.102 track 0.127, remove dead copper, pour order 54): 80.772,16.51 84.709,16.51 84.709,13.081 89.535,13.081 89.535,23.114 80.772,23.038
no net on Bottom Layer "Bottom Layer-No Net 2" (hatched Horizontal grid 0.102 track 0.127, remove dead copper, pour order 52): 80.772,16.51
NetC6_1 on Bottom Layer "Bottom Layer-NetC6_1" (hatched Horizontal grid 0.102 track 0.127, remove dead copper, pour order 50): 88.138,10.414 88.138,6.985 81.28,6.985 81.28,8.382 84.836,8.382 84.836,10.414
NetR6_1 on Bottom Layer "Bottom Layer-NetR6_1" (hatched Horizontal grid 0.102 track 0.127, remove dead copper, pour order 48): 82.042,14.351 82.042,15.621 77.216,15.621 77.216,10.033 78.105,10.033 78.105,14.351
no net on Bottom Layer "Bottom Layer-No Net" (hatched Horizontal grid 0.102 track 0.127, remove dead copper, pour order 0): 80.264,7.112
EVCC on Top Layer "Top Layer-EVCC" (hatched Horizontal grid 0.102 track 0.127, remove dead copper, pour order 114): 81.331,8.255 90.424,8.255 90.424,31.166 90.5,31.242 99.314,31.242 99.314,43.307 81.331,43.307 81.331,28.423 87.681,28.423 87.681,18.923 81.331,18.923
3V3 on Top Layer "Top Layer-3V3 2" (hatched Horizontal grid 0.102 track 0.127, remove dead copper, pour order 94): 30.226,67.105 30.226,59.69 70.866,59.565 70.866,15.113 75.565,15.113 75.565,19.482 75.641,19.558 80.832,19.558 80.966,45.136 85.979,45.136 85.979,66.966
GND on Top Layer "Top Layer-GND 2" (hatched Horizontal grid 0.102 track 0.127, remove dead copper, pour order 116): -0.254,72.441 99.695,72.437 99.695,54.432 58.462,54.563 58.462,4.525 71.264,4.525 71.264,0.588 81.576,0.588 81.576,-0.25 -0.254,-0.254
no net on Top Layer "Top Layer-No Net 8" (hatched Horizontal grid 0.102 track 0.127, remove dead copper, pour order 118): -10.719,35.636
MCU on Top Layer "Top Layer-MCU 1" (hatched Horizontal grid 0.102 track 0.127, remove dead copper, pour order 106): 72.365,1.016 72.365,10.338 79.121,10.338 79.121,1.041 79.096,1.016
no net on Top Layer "Top Layer-No Net 7" (hatched Horizontal grid 0.102 track 0.127, remove dead copper, pour order 92): 9.779,61.849
no net on Top Layer "Top Layer-No Net 3" (hatched Horizontal grid 0.102 track 0.127, remove dead copper, pour order 90): 83.312,11.43
EVCC on Top Layer "Top Layer-EVCC 1" (hatched Horizontal grid 0.102 track 0.127, remove dead copper, pour order 88): 83.312,11.43 83.312,15.367 85.852,15.367 85.852,11.43
MCU on Top Layer "Top Layer-MCU" (hatched Horizontal grid 0.102 track 0.127, remove dead copper, pour order 84): 59.058,10.592 69.367,10.592 69.367,4.953 59.058,4.953
no net on Top Layer "Top Layer-No Net 4" (hatched Horizontal grid 0.102 track 0.127, remove dead copper, pour order 74): 99.314,0.279
no net on Top Layer "Top Layer-No Net 5" (hatched Horizontal grid 0.102 track 0.127, remove dead copper, pour order 66): 0.127,66.548
no net on Top Layer "Top Layer-No Net 6" (hatched Horizontal grid 0.102 track 0.127, remove dead copper, pour order 64): -0.127,66.675
GND on Top Layer "Top Layer-GND" (hatched Horizontal grid 0.102 track 0.127, remove dead copper, pour order 46): 73.914,27.686 86.487,27.686 86.487,21.209 87.249,21.209 87.249,19.304 83.82,19.304 83.82,21.336 82.169,21.336 82.169,21.463 82.169,23.749 73.914,23.749
no net on Top Layer "Top Layer-No Net" (hatched Horizontal grid 0.102 track 0.127, remove dead copper, pour order 34): 76.835,52.197
NetC4_1 on Top Layer "Top Layer-NetC4_1" (hatched Horizontal grid 0.102 track 0.127, remove dead copper, pour order 28): 72.009,13.589 77.978,13.589 77.978,16.51 79.375,16.51 79.375,10.541 79.121,10.541 72.009,10.541
no net on Top Layer "Top Layer-No Net 1" (hatched Horizontal grid 0.102 track 0.127, remove dead copper, pour order 26): 79.629,16.129
NetS1_2 on Top Layer "Top Layer-NetS1_2" (hatched Horizontal grid 0.102 track 0.127, remove dead copper, pour order 18): 91.186,30.353 99.314,30.353 99.314,16.891 91.313,16.891
GND on Top Layer "Top Layer-GND 1" (hatched Horizontal grid 0.102 track 0.127, remove dead copper, pour order 14): 99.314,0.254 99.314,16.002 90.932,16.002 90.932,7.747 79.375,7.747 79.375,0.12
no net on Top Layer "Top Layer-No Net 2" (hatched Horizontal grid 0.102 track 0.127, remove dead copper, pour order 12): 93.853,14.224
no net on Top Solder (hatched Horizontal grid 0.102 track 0.127, remove dead copper): 0.076,57.937 7.264,57.937 7.264,54.381 0.076,54.381

## Keep-outs
Keep-Out Layer:
  the board outline again, w0.254

## Other copper
Top Layer:
  pour cut-out: -0.254,57.912 6.209,57.912 6.209,54.534 -0.254,54.534
  pour cut-out: 76.608,64.514 80.9,64.514 80.9,59.487 76.608,59.487
  pour cut-out: 63.77,46.712 69.889,46.712 69.889,29.845 63.77,29.845
  pour cut-out: 89.002,54.432 96.749,54.432 96.749,43.675 89.002,43.675
  pour cut-out: 58.877,23.851 70.18,23.851 70.18,10.833 58.877,10.833
  pour cut-out: 50.8,62.412 50.8,56.566 62.994,56.566 62.994,62.297
  pour cut-out: 50.949,65.024
  pour cut-out: 76.835,59.411 81.153,59.411 81.153,60.706 76.835,60.706
  pour cut-out: 70.612,54.864 77.383,54.864 77.383,53.594 70.612,53.594
  text "东南大学" at 0.178,56.542 h1.52
  text "2021年" at 0.356,54.839 h1.52
Bottom Layer:
  pour cut-out: 60.477,31.623 64.772,31.623 64.772,28.524 60.475,28.524
  pour cut-out: 79.147,8.684 79.433,8.684 79.433,8.509 79.147,8.509
  pour cut-out: 78.232,8.684 78.518,8.684 78.518,8.509 78.232,8.509
  pour cut-out: 78.867,26.027 79.273,26.027 79.273,26.551 78.867,26.551
  pour cut-out: 81.661,14.199 82.158,14.199 82.158,13.894 81.661,13.894

## Silkscreen, mask and mechanical layers (free items; w line width, h text height)
Top Overlay:
  text "+" at 89.662,32.895 h1.52
  text "-" at 89.662,28.195 h1.52
  text "-" at 89.662,23.495 h1.52
  text "+" at 89.408,18.542 h1.52
Mechanical 1:
  the board outline again, w0.254

## Text inside footprints (layer, text, board x,y; h text height)
JP1: Top Overlay "2" at 41.783,63.119 h1.02; Top Overlay "1" at 42.037,60.579 h1.02; Top Overlay "16" at 64.135,63.373 h1.02; Top Overlay "15" at 64.135,60.325 h1.02
JP5: Top Overlay "1" at 68.58,3.429 h1.02; Top Overlay "2" at 68.326,5.969 h1.02; Top Overlay "5" at 77.216,3.429 h1.02; Top Overlay "6" at 77.216,5.969 h1.02
JP6: Top Overlay "1" at 8.382,3.429 h1.02; Top Overlay "2" at 8.128,5.969 h1.02; Top Overlay "5" at 17.018,3.429 h1.02; Top Overlay "6" at 17.018,5.969 h1.02
Sensor: Top Overlay "7" at 5.08,20.93 h1.02 r90; Top Overlay "2" at 2.54,9.246 h1.02 r90; Top Overlay "1" at 5.08,9.5 h1.02 r90; Top Overlay "8" at 2.54,20.93 h1.02 r90
SW1: Top Overlay "ON" at 31.369,63.246 h1.52
U1: Top Overlay "IMX-RT1064 xVL" at 37.735,26.162 h2.03 r270; Top Overlay "CoreBoard Vx.x" at 35.83,26.162 h2.03 r270